# Altium PCB UmTRXv2.PcbDoc (part 22 of 25) (continued)
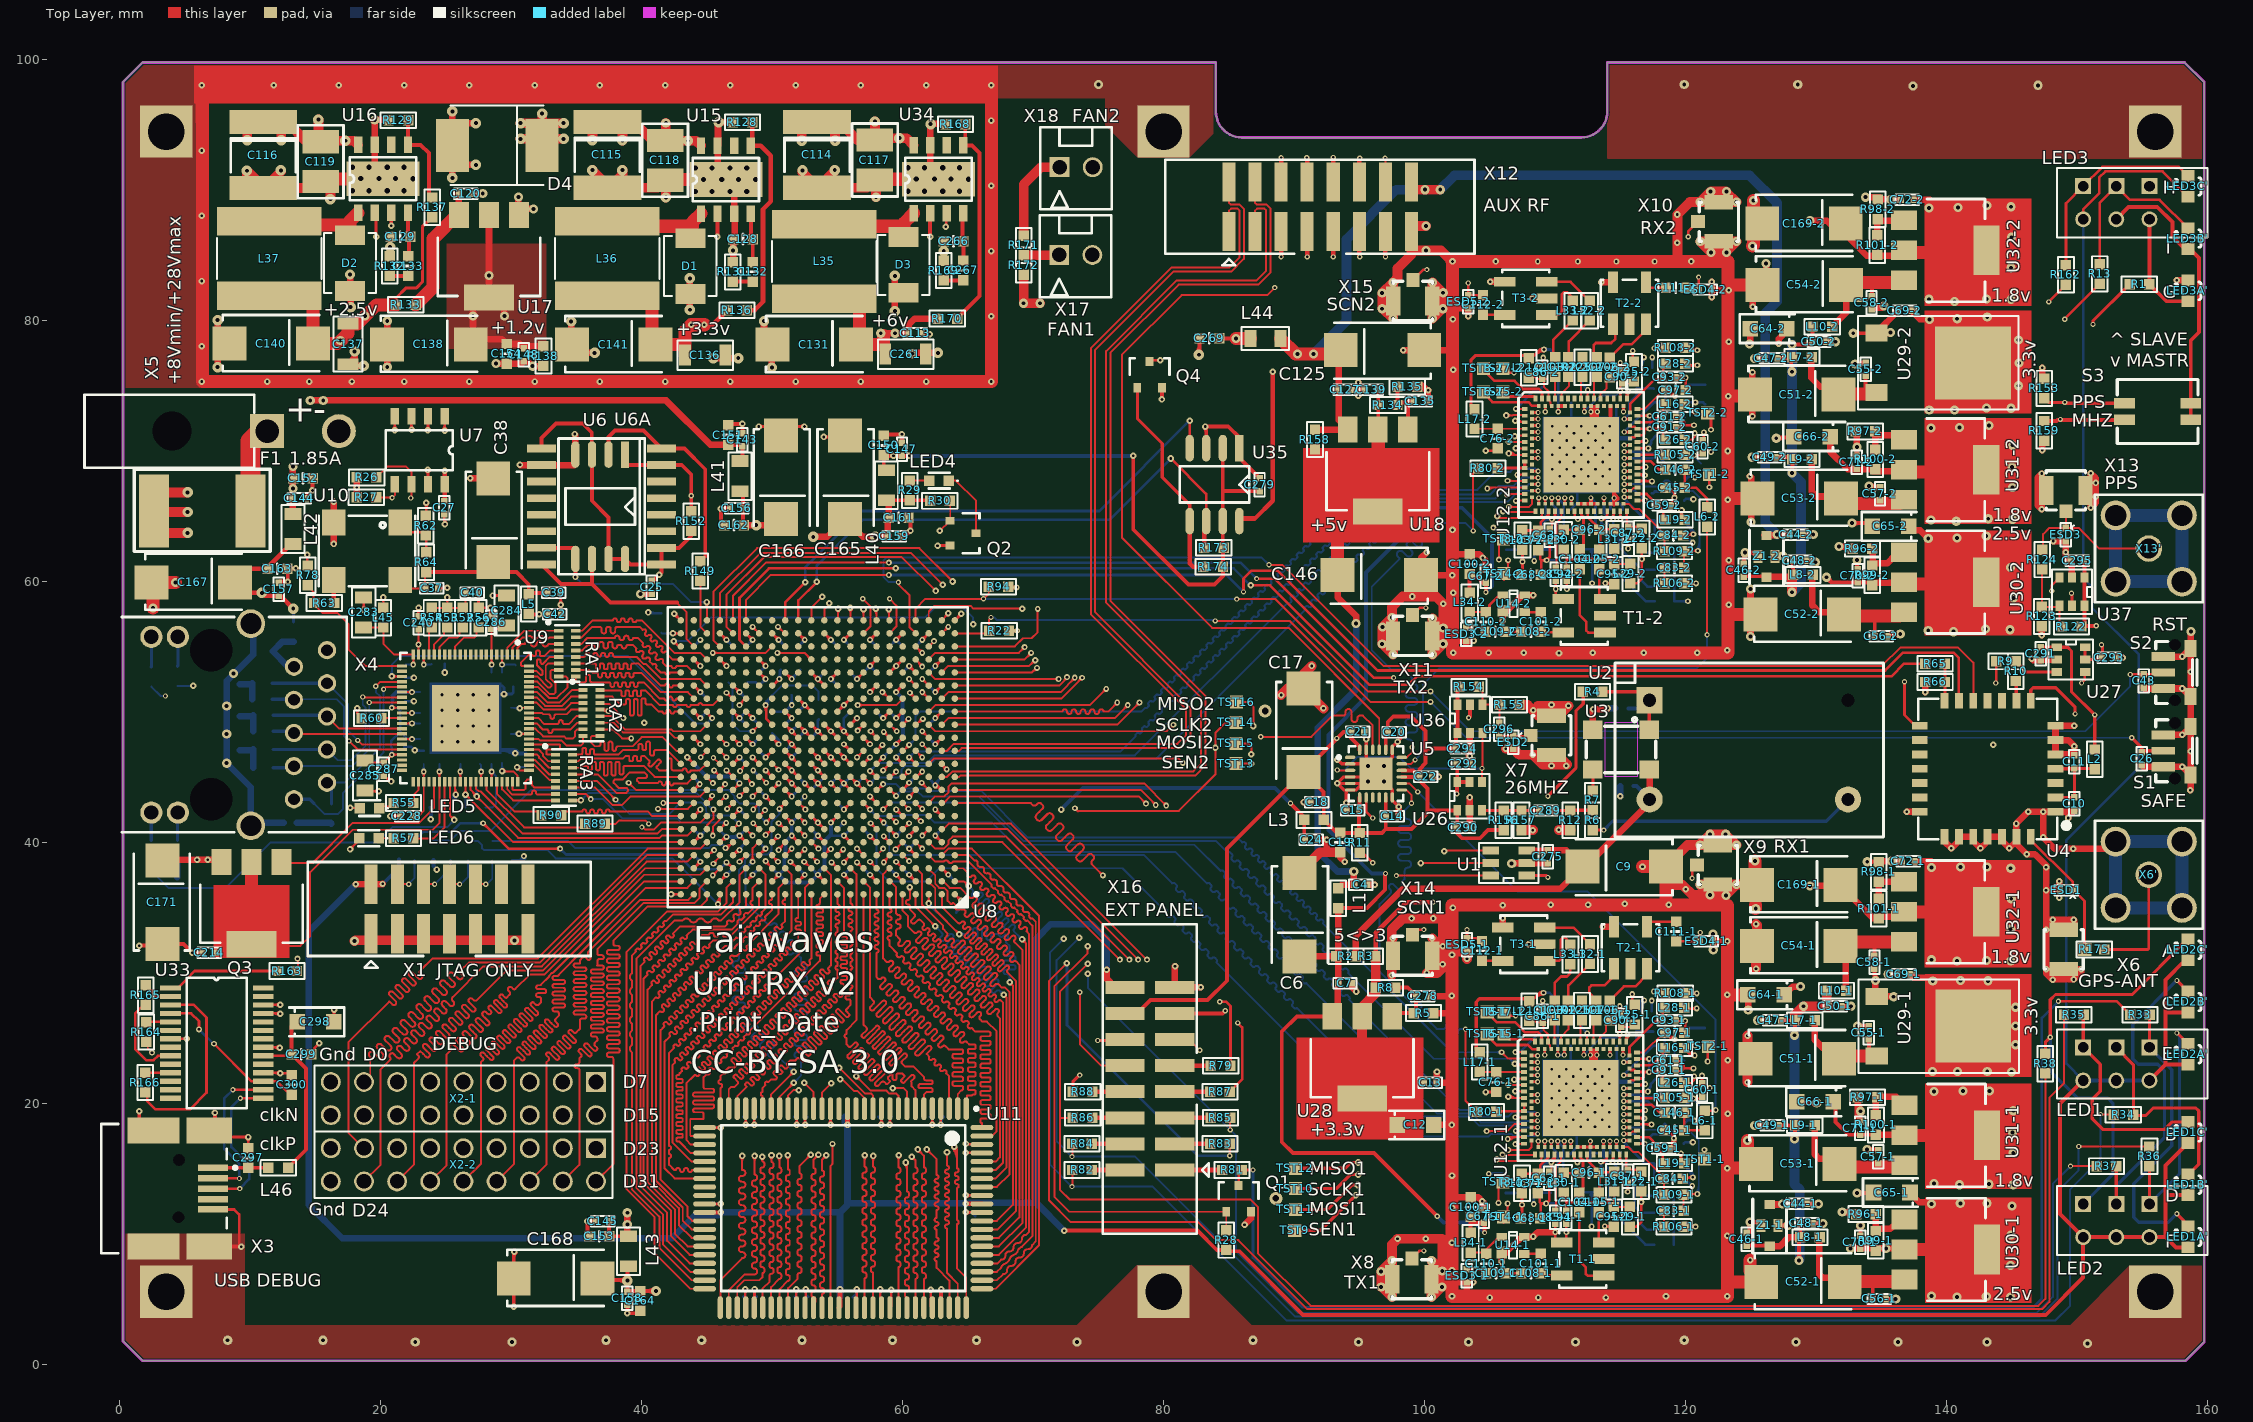
[diagram p0: Top Layer view]
## Nets (pads, with @x,y where several pads share a name; then routed paths per layer and width w, separated by ;. In a path a pad name is that pad's centre, name@x,y a point inside that pad or via, vN(x,y) a via of type N, cw(c..) or ccw(c..) an arc to the next point about the centre after c; other vN are vias at no path point) (continued)
TX1D5: U8.F7 U12-1.26 | length 81.5
  Top Layer w0.15: v2@57.55,41.275 cw(c57.55,40.853) 57.849,41.151 cw(c58.148,41.45) v2@57.725,41.45 ; 57.739,41.249 cw(c57.807,41.503) v2(57.55,41.45) ; 57.751,41.261 ccw(c57.497,41.193) v2(57.55,41.45) ; U8.F7@58,41 v2(57.55,41.45) ; v2(57.55,41.45) cw(c57.459,41.12) 57.79,41.209 ccw(c57.459,41.12) v2(57.55,41.45) ; v2(57.55,41.45) ccw(c57.88,41.541) 57.791,41.21 cw(c57.88,41.541) v2(57.55,41.45) ; 57.806,41.194 cw(c58.062,41.45) 57.7,41.45 ccw(c58.062,41.45) 57.806,41.194 ; 57.806,41.194 ccw(c57.55,40.938) 57.55,41.3 cw(c57.55,40.938) 57.806,41.194
  Top Layer w0.2: U12-1.26@108.207,17.638 v4@108.632,17.638 ; 108.416,17.638 cw(c108.416,17.397) v4@108.586,17.567 ; 108.416,17.638 ccw(c108.416,17.879) v4@108.586,17.709 ; 108.416,17.638 ccw(c108.416,17.879) v4@108.586,17.709 ; 108.416,17.638 cw(c108.416,17.397) v4@108.586,17.567 ; 108.416,17.638 ccw(c108.416,17.879) v4@108.586,17.709 ; 108.416,17.638 cw(c108.416,17.397) v4@108.586,17.567
  Bottom Layer w0.15: v2@57.55,41.275 cw(c57.55,40.853) 57.849,41.151 cw(c58.147,41.45) v2@57.725,41.45 ; v4(108.657,17.638) 108.489,17.47 106.833,17.47 106.655,17.649 105.115,17.649 104.916,17.45 97.4,17.45 84.046,30.804 ccw(c83.94,30.91) 84.046,31.016 83.94,31.123 ccw(c83.834,31.016) 83.727,31.123 cw(c83.621,31.229) 83.515,31.123 83.409,31.229 cw(c83.515,31.335) 83.409,31.441 ccw(c83.303,31.547) 83.409,31.653 83.303,31.759 ccw(c83.197,31.653) 83.091,31.759 cw(c82.985,31.865) 82.879,31.759 82.773,31.865 cw(c82.879,31.971) 82.773,32.077 ccw(c82.667,32.183) 82.773,32.289 82.667,32.395 ccw(c82.561,32.289) 82.455,32.395 cw(c82.349,32.501) 82.243,32.395 82.136,32.501 cw(c82.243,32.607) 82.136,32.714 ccw(c82.03,32.82) 82.136,32.926 82.03,33.032 ccw(c81.924,32.926) 81.818,33.032 cw(c81.712,33.138) 81.606,33.032 81.5,33.138 cw(c81.606,33.244) 81.5,33.35 ccw(c81.394,33.456) 81.5,33.562 81.394,33.668 ccw(c81.288,33.562) 81.182,33.668 cw(c81.076,33.774) 80.97,33.668 80.864,33.774 cw(c80.97,33.88) 80.864,33.986 ccw(c80.758,34.092) 80.864,34.198 80.758,34.305 ccw(c80.652,34.198) 80.545,34.305 cw(c80.439,34.411) 80.333,34.305 80.227,34.411 cw(c80.333,34.517) 80.227,34.623 ccw(c80.121,34.729) 80.227,34.835 80.121,34.941 ccw(c80.015,34.835) 79.909,34.941 76.85,38 62.8,38 61.8,37 58.95,37 58,37.95 58,41 v2(57.55,41.45) ; v2(57.55,41.45) cw(c57.459,41.12) 57.79,41.209 ccw(c57.459,41.12) v2(57.55,41.45) ; v2(57.55,41.45) ccw(c57.88,41.541) 57.791,41.21 cw(c57.88,41.541) v2(57.55,41.45) ; 57.806,41.194 cw(c58.062,41.45) 57.7,41.45 ccw(c58.062,41.45) 57.806,41.194 ; 57.806,41.194 ccw(c57.55,40.938) 57.55,41.3 cw(c57.55,40.938) 57.806,41.194 ; 107.95,17.47 ccw(c107.95,18.345) v4@108.569,17.726 ; 107.95,17.47 ccw(c107.95,18.345) v4@108.569,17.726 ; 107.95,17.47 ccw(c107.95,18.345) v4@108.569,17.726 ; 108.237,17.535 cw(c108.411,17.232) v4@108.592,17.531 ; 108.237,17.535 cw(c108.411,17.232) v4@108.592,17.531 ; 108.237,17.535 cw(c108.411,17.232) v4@108.592,17.531 ; 108.312,17.47 ccw(c108.312,17.983) v4@108.675,17.62 ; 108.312,17.47 ccw(c108.312,17.983) v4@108.675,17.62 ; 108.312,17.47 ccw(c108.312,17.983) v4@108.675,17.62 ; 108.433,17.481 ccw(c108.333,17.653) v4@108.532,17.644 ; 108.433,17.481 ccw(c108.333,17.653) v4@108.532,17.644 ; 108.433,17.481 ccw(c108.333,17.653) v4@108.532,17.644 ; 108.456,17.662 cw(c108.561,17.48) v4@108.67,17.659 ; 108.456,17.662 cw(c108.561,17.48) v4@108.67,17.659 ; 108.456,17.662 cw(c108.561,17.48) v4@108.67,17.659 ; 108.458,17.495 cw(c108.568,17.305) v4@108.625,17.517 ; 108.458,17.495 cw(c108.568,17.305) v4@108.625,17.517 ; 108.458,17.495 cw(c108.568,17.305) v4@108.625,17.517
TX1D6: U8.G6 U12-1.27 | length 81.2
  Top Layer w0.15: U8.G6@59,42 59.45,41.55 v2(59.5,41.55) ; U8.G6@59.116,41.884 ccw(c59.5,42.268) v2@59.5,41.725 ; 59.237,41.763 cw(c59.023,41.55) v2@59.325,41.55 ; 59.281,41.759 cw(c59.2,41.454) v2(59.5,41.55) ; U12-1.27@107.632,17.388 106.441,17.388 106.461,17.408 v2(106.375,17.249) ; v2(59.5,41.55) ccw(c59.123,41.409) 59.227,41.798 cw(c59.123,41.409) v2(59.5,41.55) ; v2(59.5,41.55) cw(c59.547,41.834) 59.269,41.759 ccw(c59.547,41.834) v2(59.5,41.55) ; v2(106.375,17.249) cw(c106.71,16.913) 106.71,17.388 ; v2(106.375,17.249) ccw(c106.513,17.39) 106.612,17.219 ; v2(106.375,17.249) cw(c106.71,16.913) 106.71,17.388 ; v2(106.375,17.249) ccw(c106.513,17.39) 106.612,17.219 ; v2(106.375,17.249) ccw(c106.513,17.39) 106.612,17.219 ; v2(106.375,17.249) cw(c106.71,16.913) 106.71,17.388 ; v2@106.456,17.375 ccw(c106.524,17.481) 106.587,17.372 ; v2@106.456,17.375 ccw(c106.524,17.481) 106.587,17.372 ; v2@106.456,17.375 ccw(c106.524,17.481) 106.587,17.372 ; v2@106.48,17.356 ccw(c106.657,17.537) 106.783,17.318 ; v2@106.48,17.356 ccw(c106.657,17.537) 106.783,17.318 ; v2@106.48,17.356 ccw(c106.657,17.537) 106.783,17.318 ; v2@106.481,17.143 cw(c107.072,16.551) 107.072,17.388 ; v2@106.481,17.143 cw(c107.072,16.551) 107.072,17.388 ; v2@106.481,17.143 cw(c107.072,16.551) 107.072,17.388 ; v2@106.524,17.256 cw(c106.651,17.262) 106.587,17.372 ; v2@106.524,17.256 cw(c106.651,17.262) 106.587,17.372 ; v2@106.524,17.256 cw(c106.651,17.262) 106.587,17.372 ; U8.G6@59.159,41.841 ccw(c59.5,42.183) 59.5,41.7 cw(c59.5,42.183) U8.G6@59.159,41.841 ; 59.279,41.721 cw(c59.109,41.55) 59.35,41.55 ccw(c59.109,41.55) 59.279,41.721
  MidLayer1 w0.15: v2@59.5,41.375 cw(c59.5,40.953) 59.799,41.251 cw(c60.097,41.55) v2@59.675,41.55 ; v2(106.375,17.249) 106.326,17.2 99.9,17.2 99.582,17.518 cw(c99.441,17.696) 99.264,17.836 ccw(c99.086,17.977) 98.945,18.155 cw(c98.805,18.332) 98.627,18.473 ccw(c98.449,18.613) 98.309,18.791 cw(c98.169,18.969) 97.991,19.109 ccw(c97.813,19.249) 97.673,19.427 cw(c97.532,19.605) 97.354,19.746 ccw(c97.177,19.886) 97.036,20.064 cw(c96.896,20.242) 96.718,20.382 ccw(c96.54,20.522) 96.4,20.7 cw(c96.26,20.878) 96.082,21.018 ccw(c95.904,21.159) 95.763,21.337 cw(c95.623,21.514) 95.445,21.655 ccw(c95.267,21.795) 95.127,21.973 cw(c94.987,22.151) 94.809,22.291 ccw(c94.631,22.431) 94.491,22.609 cw(c94.35,22.787) 94.172,22.928 ccw(c93.995,23.068) 93.854,23.246 cw(c93.714,23.424) 93.536,23.564 ccw(c93.358,23.704) 93.218,23.882 cw(c93.078,24.06) 92.9,24.2 ccw(c92.722,24.341) 92.581,24.519 cw(c92.441,24.696) 92.263,24.837 ccw(c92.085,24.977) 91.945,25.155 cw(c91.805,25.333) 91.627,25.473 ccw(c91.449,25.613) 91.309,25.791 cw(c91.168,25.969) 90.99,26.11 ccw(c90.813,26.25) 90.672,26.428 cw(c90.532,26.606) 90.354,26.746 ccw(c90.176,26.886) 90.036,27.064 cw(c89.896,27.242) 89.718,27.382 ccw(c89.54,27.523) 89.399,27.701 cw(c89.259,27.878) 89.081,28.019 ccw(c88.903,28.159) 88.763,28.337 cw(c88.623,28.515) 88.445,28.655 ccw(c88.267,28.795) 88.127,28.973 cw(c87.986,29.151) 87.809,29.291 ccw(c87.631,29.432) 87.49,29.61 79.1,38 77.85,38 74.925,40.925 62.676,40.925 62.324,40.925 60.676,40.925 60.324,40.925 60.1,40.925 60.1,40.95 v2(59.5,41.55) ; v2(59.5,41.55) ccw(c59.83,41.641) 59.741,41.31 cw(c59.83,41.641) v2(59.5,41.55) ; v2(59.5,41.55) cw(c59.409,41.22) 59.74,41.309 ccw(c59.409,41.22) v2(59.5,41.55) ; 59.756,41.294 cw(c60.012,41.55) 59.65,41.55 ccw(c60.012,41.55) 59.756,41.294 ; 59.756,41.294 ccw(c59.5,41.038) 59.5,41.4 cw(c59.5,41.038) 59.756,41.294 ; 105.894,17.2 ccw(c105.894,17.729) v2@106.268,17.355 ; 105.894,17.2 ccw(c105.894,17.729) v2@106.268,17.355 ; 105.894,17.2 ccw(c105.894,17.729) v2@106.268,17.355 ; 106.131,17.2 cw(c106.131,17.005) v2@106.268,17.143 ; 106.131,17.2 cw(c106.131,17.005) v2@106.268,17.143 ; 106.131,17.2 cw(c106.131,17.005) v2@106.268,17.143
TX1D7: U8.E5 U12-1.28 | length 76.1
  Top Layer w0.15: v2@59.45,39.625 ccw(c59.45,40.047) 59.749,39.749 ccw(c60.047,39.45) v2@59.625,39.45 ; 59.639,39.651 ccw(c59.707,39.397) v2(59.45,39.45) ; 59.651,39.639 cw(c59.397,39.707) v2(59.45,39.45) ; U8.E5@60,40 v2(59.45,39.45) ; v2(106.411,16.408) 107.977,16.408 108.207,16.638 U12-1.28@108.207,17.138 ; v2(59.45,39.45) ccw(c59.359,39.78) 59.69,39.691 cw(c59.359,39.78) v2(59.45,39.45) ; v2(59.45,39.45) cw(c59.78,39.359) 59.691,39.69 ccw(c59.78,39.359) v2(59.45,39.45) ; 59.706,39.706 cw(c59.45,39.962) 59.45,39.6 ccw(c59.45,39.962) 59.706,39.706 ; 59.706,39.706 ccw(c59.962,39.45) 59.6,39.45 cw(c59.962,39.45) 59.706,39.706 ; v2@106.517,16.302 cw(c106.773,16.046) 106.773,16.408 ; v2@106.517,16.302 cw(c106.773,16.046) 106.773,16.408 ; v2@106.517,16.302 cw(c106.773,16.046) 106.773,16.408 ; v2@106.517,16.514 ccw(c106.773,16.77) 106.773,16.408 ; v2@106.517,16.514 ccw(c106.773,16.77) 106.773,16.408 ; v2@106.517,16.514 ccw(c106.773,16.77) 106.773,16.408
  MidLayer1 w0.15: v2@59.45,39.625 ccw(c59.45,40.047) 59.749,39.749 ccw(c60.047,39.45) v2@59.625,39.45 ; 61.85,39.75 74.95,39.75 77.5,37.2 78.5,37.2 78.76,36.94 ccw(c78.809,36.99) 78.859,36.94 cw(c78.986,36.813) 79.113,36.94 79.177,36.877 cw(c79.05,36.749) 79.177,36.622 79.127,36.573 79.078,36.523 ccw(c79.205,36.396) 79.078,36.269 79.141,36.205 ccw(c79.269,36.332) 79.396,36.205 79.495,36.304 cw(c79.622,36.177) 79.75,36.304 79.813,36.24 cw(c79.686,36.113) 79.813,35.986 79.714,35.887 ccw(c79.841,35.76) 79.714,35.632 79.778,35.569 ccw(c79.905,35.696) 80.032,35.569 80.131,35.668 cw(c80.259,35.54) 80.386,35.668 80.45,35.604 cw(c80.322,35.477) 80.45,35.349 80.351,35.25 ccw(c80.478,35.123) 80.351,34.996 80.414,34.932 ccw(c80.542,35.059) 80.669,34.932 80.718,34.982 80.768,35.031 cw(c80.895,34.904) 81.022,35.031 81.086,34.968 cw(c80.959,34.84) 81.086,34.713 80.987,34.614 ccw(c81.114,34.487) 80.987,34.359 81.051,34.296 ccw(c81.178,34.423) 81.305,34.296 81.355,34.345 81.404,34.395 cw(c81.531,34.268) 81.659,34.395 81.722,34.331 cw(c81.595,34.204) 81.722,34.077 81.623,33.978 ccw(c81.751,33.85) 81.623,33.723 81.687,33.659 ccw(c81.814,33.787) 81.942,33.659 82.041,33.758 cw(c82.168,33.631) 82.295,33.758 82.359,33.695 cw(c82.231,33.568) 82.359,33.44 82.26,33.341 ccw(c82.387,33.214) 82.26,33.087 82.323,33.023 ccw(c82.451,33.15) 82.578,33.023 82.677,33.122 cw(c82.804,32.995) 82.932,33.122 82.995,33.058 cw(c82.868,32.931) 82.995,32.804 82.946,32.754 82.896,32.705 ccw(c83.023,32.578) 82.896,32.45 82.96,32.387 ccw(c83.087,32.514) 83.214,32.387 83.313,32.486 cw(c83.441,32.358) 83.568,32.486 83.632,32.422 cw(c83.504,32.295) 83.632,32.167 83.582,32.118 83.533,32.068 ccw(c83.66,31.941) 83.533,31.814 83.596,31.75 ccw(c83.723,31.878) 83.851,31.75 83.95,31.849 cw(c84.077,31.722) 84.204,31.849 84.268,31.786 cw(c84.141,31.658) 84.268,31.531 84.169,31.432 ccw(c84.296,31.305) 84.169,31.177 84.233,31.114 ccw(c84.36,31.241) 84.487,31.114 84.586,31.213 cw(c84.713,31.086) 84.841,31.213 84.904,31.149 cw(c84.777,31.022) 84.904,30.895 84.805,30.796 ccw(c84.933,30.668) 84.805,30.541 84.869,30.477 ccw(c84.996,30.605) 85.124,30.477 85.173,30.527 85.223,30.576 cw(c85.35,30.449) 85.477,30.576 85.541,30.513 cw(c85.413,30.386) 85.541,30.258 ccw(c85.59,30.209) 85.541,30.159 99.247,16.453 106.366,16.453 v2(106.411,16.408) ; 61.851,39.751 61.601,40 60,40 v2(59.45,39.45) ; v2(59.45,39.45) ccw(c59.359,39.78) 59.69,39.691 cw(c59.359,39.78) v2(59.45,39.45) ; v2(59.45,39.45) cw(c59.78,39.359) 59.691,39.69 ccw(c59.78,39.359) v2(59.45,39.45) ; 59.706,39.706 cw(c59.45,39.962) 59.45,39.6 ccw(c59.45,39.962) 59.706,39.706 ; 59.706,39.706 ccw(c59.962,39.45) 59.6,39.45 cw(c59.962,39.45) 59.706,39.706
TX1D8: U8.F3 U12-1.29 | length 78.4
  Top Layer w0.15: v2@61.5,40.675 ccw(c61.5,41.097) 61.799,40.799 ccw(c62.098,40.5) v2@61.675,40.5 ; 61.689,40.701 ccw(c61.757,40.447) v2(61.5,40.5) ; 61.701,40.689 cw(c61.447,40.757) v2(61.5,40.5) ; U8.F3@62,41 v2(61.5,40.5) ; v2(106.961,16.858) 106.991,16.888 U12-1.29@107.632,16.888 ; v2(61.5,40.5) ccw(c61.409,40.83) 61.74,40.741 cw(c61.409,40.83) v2(61.5,40.5) ; v2(61.5,40.5) cw(c61.83,40.409) 61.741,40.74 ccw(c61.83,40.409) v2(61.5,40.5) ; 61.756,40.756 cw(c61.5,41.012) 61.5,40.65 ccw(c61.5,41.012) 61.756,40.756 ; 61.756,40.756 ccw(c62.012,40.5) 61.65,40.5 cw(c62.012,40.5) 61.756,40.756 ; v2@107.067,16.752 cw(c107.395,16.424) 107.395,16.888 ; v2@107.067,16.752 cw(c107.395,16.424) 107.395,16.888 ; v2@107.067,16.752 cw(c107.395,16.424) 107.395,16.888 ; v2@107.067,16.964 ccw(c107.251,17.148) 107.251,16.888 ; v2@107.067,16.964 ccw(c107.251,17.148) 107.251,16.888 ; v2@107.067,16.964 ccw(c107.251,17.148) 107.251,16.888
  MidLayer1 w0.15: v2@61.5,40.325 cw(c61.5,39.793) 61.876,40.169 ; v2@61.675,40.5 ccw(c61.988,40.5) 61.767,40.279 ; 61.716,40.292 cw(c61.796,40.592) v2(61.5,40.5) ; 61.724,40.363 ccw(c61.508,40.262) v2(61.5,40.5) ; v2(106.961,16.858) 106.952,16.849 99.351,16.849 87.15,29.05 87.15,29.4 78.925,37.625 77.725,37.625 75,40.35 74.745,40.35 ccw(c74.745,40.23) 74.625,40.23 cw(c74.445,40.23) 74.445,40.05 74.355,40.05 cw(c74.355,40.23) 74.175,40.23 74.175,40.47 ccw(c73.995,40.47) 73.995,40.65 73.905,40.65 ccw(c73.905,40.47) 73.725,40.47 73.725,40.23 cw(c73.545,40.23) 73.545,40.05 73.455,40.05 cw(c73.455,40.23) 73.275,40.23 73.275,40.47 ccw(c73.095,40.47) 73.095,40.65 73.005,40.65 ccw(c73.005,40.47) 72.825,40.47 72.825,40.23 cw(c72.645,40.23) 72.645,40.05 72.555,40.05 cw(c72.555,40.23) 72.375,40.23 72.375,40.47 ccw(c72.195,40.47) 72.195,40.65 72.105,40.65 ccw(c72.105,40.47) 71.925,40.47 71.925,40.23 cw(c71.745,40.23) 71.745,40.05 71.655,40.05 cw(c71.655,40.23) 71.475,40.23 71.475,40.47 ccw(c71.295,40.47) 71.295,40.65 71.205,40.65 ccw(c71.205,40.47) 71.025,40.47 71.025,40.23 cw(c70.845,40.23) 70.845,40.05 70.755,40.05 cw(c70.755,40.23) 70.575,40.23 70.575,40.47 ccw(c70.395,40.47) 70.395,40.65 70.305,40.65 ccw(c70.305,40.47) 70.125,40.47 70.125,40.23 cw(c69.945,40.23) 69.945,40.05 69.855,40.05 cw(c69.855,40.23) 69.675,40.23 69.675,40.47 ccw(c69.495,40.47) 69.495,40.65 69.405,40.65 ccw(c69.405,40.47) 69.225,40.47 69.225,40.23 cw(c69.045,40.23) 69.045,40.05 68.955,40.05 cw(c68.955,40.23) 68.775,40.23 68.775,40.47 ccw(c68.595,40.47) 68.595,40.65 68.505,40.65 ccw(c68.505,40.47) 68.325,40.47 68.325,40.23 cw(c68.145,40.23) 68.145,40.05 68.055,40.05 cw(c68.055,40.23) 67.875,40.23 67.875,40.47 ccw(c67.695,40.47) 67.695,40.65 67.605,40.65 ccw(c67.605,40.47) 67.425,40.47 67.425,40.23 cw(c67.245,40.23) 67.245,40.05 67.155,40.05 cw(c67.155,40.23) 66.975,40.23 66.975,40.47 ccw(c66.795,40.47) 66.795,40.65 66.705,40.65 ccw(c66.705,40.47) 66.525,40.47 66.525,40.23 cw(c66.345,40.23) 66.345,40.05 66.255,40.05 cw(c66.255,40.23) 66.075,40.23 66.075,40.47 ccw(c65.895,40.47) 65.895,40.65 65.805,40.65 ccw(c65.805,40.47) 65.625,40.47 65.625,40.23 cw(c65.445,40.23) 65.445,40.05 65.355,40.05 cw(c65.355,40.23) 65.175,40.23 65.175,40.47 ccw(c64.995,40.47) 64.995,40.65 64.905,40.65 ccw(c64.905,40.47) 64.725,40.47 64.725,40.23 cw(c64.545,40.23) 64.545,40.05 64.455,40.05 cw(c64.455,40.23) 64.275,40.23 64.275,40.47 ccw(c64.095,40.47) 64.095,40.65 64.005,40.65 ccw(c64.005,40.47) 63.825,40.47 cw(c63.705,40.47) 63.705,40.35 63.45,40.35 63.175,40.075 61.97,40.075 61.545,40.5 v2(61.5,40.5) ; 106.577,16.849 ccw(c106.577,17.243) v2@106.855,16.964 ; 106.577,16.849 ccw(c106.577,17.243) v2@106.855,16.964 ; 106.577,16.849 ccw(c106.577,17.243) v2@106.855,16.964 ; 106.621,16.849 cw(c106.621,16.518) v2@106.855,16.752 ; 106.621,16.849 cw(c106.621,16.518) v2@106.855,16.752 ; 106.621,16.849 cw(c106.621,16.518) v2@106.855,16.752 ; v2@61.5,40.35 cw(c61.5,39.878) 61.834,40.212 ccw(c61.5,39.878) v2@61.5,40.35 ; v2@61.526,40.352 cw(c61.556,40.181) 61.656,40.323 ccw(c61.556,40.181) v2@61.526,40.352 ; v2@61.648,40.526 ccw(c62.19,40.622) 61.874,40.171 cw(c62.19,40.622) v2@61.648,40.526 ; v2@61.65,40.5 ccw(c61.902,40.5) 61.724,40.321 cw(c61.902,40.5) v2@61.65,40.5
TX1D9: U8.E4 U12-1.30 | length 70.8
  Top Layer w0.15: U8.E4@61,40 v2(61.5,39.5) ; 61.299,39.689 ccw(c61.553,39.757) v2(61.5,39.5) ; 61.311,39.701 cw(c61.243,39.447) v2(61.5,39.5) ; v2@61.325,39.5 ccw(c60.903,39.5) 61.201,39.799 ccw(c61.5,40.097) v2@61.5,39.675 ; v2(105.974,16.053) 106.02,16.008 108.402,16.008 U12-1.30@108.457,16.063 ; 61.244,39.756 cw(c60.988,39.5) 61.35,39.5 ccw(c60.988,39.5) 61.244,39.756 ; 61.244,39.756 ccw(c61.5,40.012) 61.5,39.65 cw(c61.5,40.012) 61.244,39.756 ; v2(61.5,39.5) ccw(c61.17,39.409) 61.259,39.74 cw(c61.17,39.409) v2(61.5,39.5) ; v2(61.5,39.5) cw(c61.591,39.83) 61.26,39.741 ccw(c61.591,39.83) v2(61.5,39.5)
  MidLayer1 w0.15: v2(61.5,39.5) 74.8,39.5 83.263,31.037 cw(c83.403,30.859) 83.581,30.719 ccw(c83.759,30.579) 83.899,30.401 cw(c84.04,30.223) 84.218,30.082 ccw(c84.395,29.942) 84.536,29.764 cw(c84.676,29.586) 84.854,29.446 ccw(c85.032,29.306) 85.172,29.128 cw(c85.312,28.95) 85.49,28.81 ccw(c85.668,28.669) 85.809,28.492 cw(c85.949,28.314) 86.127,28.173 ccw(c86.305,28.033) 86.445,27.855 cw(c86.585,27.677) 86.763,27.537 ccw(c86.941,27.397) 87.081,27.219 cw(c87.222,27.041) 87.399,26.901 ccw(c87.577,26.76) 87.718,26.582 cw(c87.858,26.404) 88.036,26.264 ccw(c88.214,26.124) 88.354,25.946 cw(c88.494,25.768) 88.672,25.628 ccw(c88.85,25.487) 88.99,25.31 cw(c89.131,25.132) 89.309,24.991 ccw(c89.487,24.851) 89.627,24.673 cw(c89.767,24.495) 89.945,24.355 ccw(c90.123,24.215) 90.263,24.037 cw(c90.404,23.859) 90.581,23.719 ccw(c90.759,23.578) 90.9,23.4 cw(c91.04,23.222) 91.218,23.082 ccw(c91.396,22.942) 91.536,22.764 cw(c91.676,22.586) 91.854,22.446 ccw(c92.032,22.305) 92.172,22.128 cw(c92.313,21.95) 92.491,21.809 ccw(c92.669,21.669) 92.809,21.491 cw(c92.949,21.313) 93.127,21.173 ccw(c93.305,21.033) 93.445,20.855 cw(c93.586,20.677) 93.763,20.537 ccw(c93.941,20.396) 94.082,20.218 cw(c94.222,20.04) 94.4,19.9 ccw(c94.578,19.76) 94.718,19.582 cw(c94.858,19.404) 95.036,19.264 ccw(c95.214,19.123) 95.354,18.946 cw(c95.495,18.768) 95.673,18.627 ccw(c95.85,18.487) 95.991,18.309 cw(c96.131,18.131) 96.309,17.991 ccw(c96.487,17.851) 96.627,17.673 cw(c96.768,17.495) 96.945,17.355 ccw(c97.123,17.214) 97.264,17.036 cw(c97.404,16.859) 97.582,16.718 ccw(c97.76,16.578) 97.9,16.4 98.193,16.107 105.921,16.107 v2(105.974,16.053)
TX1D10: U8.H1 U12-1.31 | length 74.8
  Top Layer w0.15: U8.H1@64,43 69.8,43 69.939,42.861 ccw(c70.094,43.017) 70.25,42.861 70.324,42.935 cw(c70.48,42.78) 70.635,42.935 70.713,42.857 cw(c70.557,42.702) 70.713,42.546 70.483,42.317 70.254,42.087 ccw(c70.409,41.931) 70.254,41.776 70.332,41.698 ccw(c70.487,41.854) 70.643,41.698 71.102,42.157 cw(c71.257,42.002) 71.413,42.157 71.491,42.08 cw(c71.335,41.924) 71.491,41.768 71.261,41.539 71.032,41.309 ccw(c71.187,41.154) 71.032,40.998 71.109,40.92 ccw(c71.265,41.076) 71.42,40.92 71.88,41.38 cw(c72.035,41.224) 72.191,41.38 72.269,41.302 cw(c72.113,41.146) 72.269,40.991 71.809,40.531 ccw(c71.965,40.376) 71.809,40.22 71.887,40.142 ccw(c72.043,40.298) 72.198,40.142 72.428,40.372 72.658,40.602 cw(c72.813,40.446) 72.969,40.602 73.046,40.524 cw(c72.891,40.368) 73.046,40.213 72.587,39.754 ccw(c72.743,39.598) 72.587,39.442 72.665,39.365 ccw(c72.821,39.52) 72.976,39.365 73.206,39.594 73.435,39.824 cw(c73.591,39.668) 73.746,39.824 73.824,39.746 cw(c73.669,39.591) 73.824,39.435 73.595,39.205 73.365,38.976 ccw(c73.521,38.82) 73.365,38.665 73.443,38.587 ccw(c73.598,38.742) 73.754,38.587 74.213,39.046 cw(c74.369,38.891) 74.524,39.046 74.602,38.968 cw(c74.446,38.813) 74.602,38.657 74.528,38.583 ccw(c74.684,38.428) 74.528,38.272 v2(75.35,37.45) ; 75.094,37.706 cw(c74.838,37.45) v2@75.2,37.45 ; 75.094,37.706 ccw(c75.35,37.962) v2@75.35,37.6 ; 75.094,37.706 ccw(c75.35,37.962) v2@75.35,37.6 ; 75.094,37.706 cw(c74.838,37.45) v2@75.2,37.45 ; 75.094,37.706 ccw(c75.35,37.962) v2@75.35,37.6 ; 75.094,37.706 cw(c74.838,37.45) v2@75.2,37.45 ; 75.149,37.639 ccw(c75.403,37.707) v2(75.35,37.45) ; 75.149,37.639 ccw(c75.403,37.707) v2(75.35,37.45) ; 75.149,37.639 ccw(c75.403,37.707) v2(75.35,37.45) ; 75.161,37.651 cw(c75.093,37.397) v2(75.35,37.45) ; 75.161,37.651 cw(c75.093,37.397) v2(75.35,37.45) ; 75.161,37.651 cw(c75.093,37.397) v2(75.35,37.45)
  Top Layer w0.2: U12-1.31@108.707,16.638 v4@108.707,17.063 ; v4@108.636,17.017 cw(c108.466,16.847) 108.707,16.847 ; v4@108.636,17.017 cw(c108.466,16.847) 108.707,16.847 ; v4@108.636,17.017 cw(c108.466,16.847) 108.707,16.847 ; 108.707,16.847 cw(c108.948,16.847) v4@108.778,17.017 ; 108.707,16.847 cw(c108.948,16.847) v4@108.778,17.017 ; 108.707,16.847 cw(c108.948,16.847) v4@108.778,17.017
  MidLayer1 w0.15: v2(75.35,37.45) 97.543,15.257 105.709,15.257 105.711,15.258 106.877,15.258 v4(108.707,17.088) ; v2@75.35,37.3 cw(c75.35,36.938) 75.606,37.194 ; v2@75.35,37.3 cw(c75.35,36.938) 75.606,37.194 ; v2@75.35,37.3 cw(c75.35,36.938) 75.606,37.194 ; v2@75.5,37.45 ccw(c75.862,37.45) 75.606,37.194 ; v2@75.5,37.45 ccw(c75.862,37.45) 75.606,37.194 ; v2@75.5,37.45 ccw(c75.862,37.45) 75.606,37.194 ; 108.494,16.875 cw(c108.707,16.661) v4@108.707,16.963 ; 108.494,16.875 ccw(c108.28,17.088) v4@108.582,17.088 ; 108.494,16.875 ccw(c108.28,17.088) v4@108.582,17.088 ; 108.494,16.875 cw(c108.707,16.661) v4@108.707,16.963 ; 108.494,16.875 ccw(c108.28,17.088) v4@108.582,17.088 ; 108.494,16.875 cw(c108.707,16.661) v4@108.707,16.963
TX1D11: U8.E6 U12-1.32 | length 76.5
  Top Layer w0.15: v2@58.55,40.275 cw(c58.55,39.853) 58.849,40.151 cw(c59.147,40.45) v2@58.725,40.45 ; 58.739,40.249 cw(c58.807,40.503) v2(58.55,40.45) ; 58.751,40.261 ccw(c58.497,40.193) v2(58.55,40.45) ; U8.E6@59,40 v2(58.55,40.45) ; v1(105.533,15.682) 105.545,15.682 105.668,15.558 108.761,15.558 108.957,15.754 U12-1.32@108.957,16.063 ; v2(58.55,40.45) ccw(c58.88,40.541) 58.791,40.21 cw(c58.88,40.541) v2(58.55,40.45) ; v2(58.55,40.45) cw(c58.459,40.12) 58.79,40.209 ccw(c58.459,40.12) v2(58.55,40.45) ; 58.806,40.194 cw(c59.062,40.45) 58.7,40.45 ccw(c59.062,40.45) 58.806,40.194 ; 58.806,40.194 ccw(c58.55,39.938) 58.55,40.3 cw(c58.55,39.938) 58.806,40.194
  MidLayer1 w0.15: v2@58.55,40.275 cw(c58.55,39.853) 58.849,40.151 cw(c59.147,40.45) v2@58.725,40.45 ; v1(105.533,15.682) 97.768,15.682 74.75,38.7 69.405,38.7 cw(c69.405,38.78) 69.325,38.78 ccw(c69.105,38.78) 69.105,39 68.995,39 ccw(c68.995,38.78) 68.775,38.78 68.775,38.62 cw(c68.555,38.62) 68.555,38.4 68.445,38.4 cw(c68.445,38.62) 68.225,38.62 68.225,38.78 ccw(c68.005,38.78) 68.005,39 67.895,39 ccw(c67.895,38.78) 67.675,38.78 67.675,38.62 cw(c67.455,38.62) 67.455,38.4 67.345,38.4 cw(c67.345,38.62) 67.125,38.62 67.125,38.78 ccw(c66.905,38.78) 66.905,39 66.795,39 ccw(c66.795,38.78) 66.575,38.78 66.575,38.62 cw(c66.355,38.62) 66.355,38.4 66.245,38.4 cw(c66.245,38.62) 66.025,38.62 66.025,38.78 ccw(c65.805,38.78) 65.805,39 65.695,39 ccw(c65.695,38.78) 65.475,38.78 65.475,38.62 cw(c65.255,38.62) 65.255,38.4 65.145,38.4 cw(c65.145,38.62) 64.925,38.62 64.925,38.78 ccw(c64.705,38.78) 64.705,39 64.595,39 ccw(c64.595,38.78) 64.375,38.78 64.375,38.62 cw(c64.155,38.62) 64.155,38.4 64.045,38.4 cw(c64.045,38.62) 63.825,38.62 63.825,38.78 ccw(c63.605,38.78) 63.605,39 63.495,39 ccw(c63.495,38.78) 63.275,38.78 63.275,38.62 cw(c63.055,38.62) 63.055,38.4 62.945,38.4 cw(c62.945,38.62) 62.725,38.62 62.725,38.78 ccw(c62.505,38.78) 62.505,39 62.395,39 ccw(c62.395,38.78) 62.175,38.78 cw(c62.095,38.78) 62.095,38.7 61.45,38.7 61.15,39 59.25,39 59,39.25 59,40 v2(58.55,40.45) ; v2(58.55,40.45) ccw(c58.88,40.541) 58.791,40.21 cw(c58.88,40.541) v2(58.55,40.45) ; v2(58.55,40.45) cw(c58.459,40.12) 58.79,40.209 ccw(c58.459,40.12) v2(58.55,40.45) ; 58.806,40.194 cw(c59.062,40.45) 58.7,40.45 ccw(c59.062,40.45) 58.806,40.194 ; 58.806,40.194 ccw(c58.55,39.938) 58.55,40.3 cw(c58.55,39.938) 58.806,40.194 ; 105.111,15.682 cw(c105.111,15.259) v1@105.409,15.558 ; 105.111,15.682 ccw(c105.111,16.104) v1@105.409,15.805 ; 105.111,15.682 ccw(c105.111,16.104) v1@105.409,15.805 ; 105.111,15.682 cw(c105.111,15.259) v1@105.409,15.558 ; 105.111,15.682 ccw(c105.111,16.104) v1@105.409,15.805 ; 105.111,15.682 cw(c105.111,15.259) v1@105.409,15.558